# Altium PCB BEAGLEPLAYV020_220915.brd.PcbDoc (part 10 of 12) (continued)
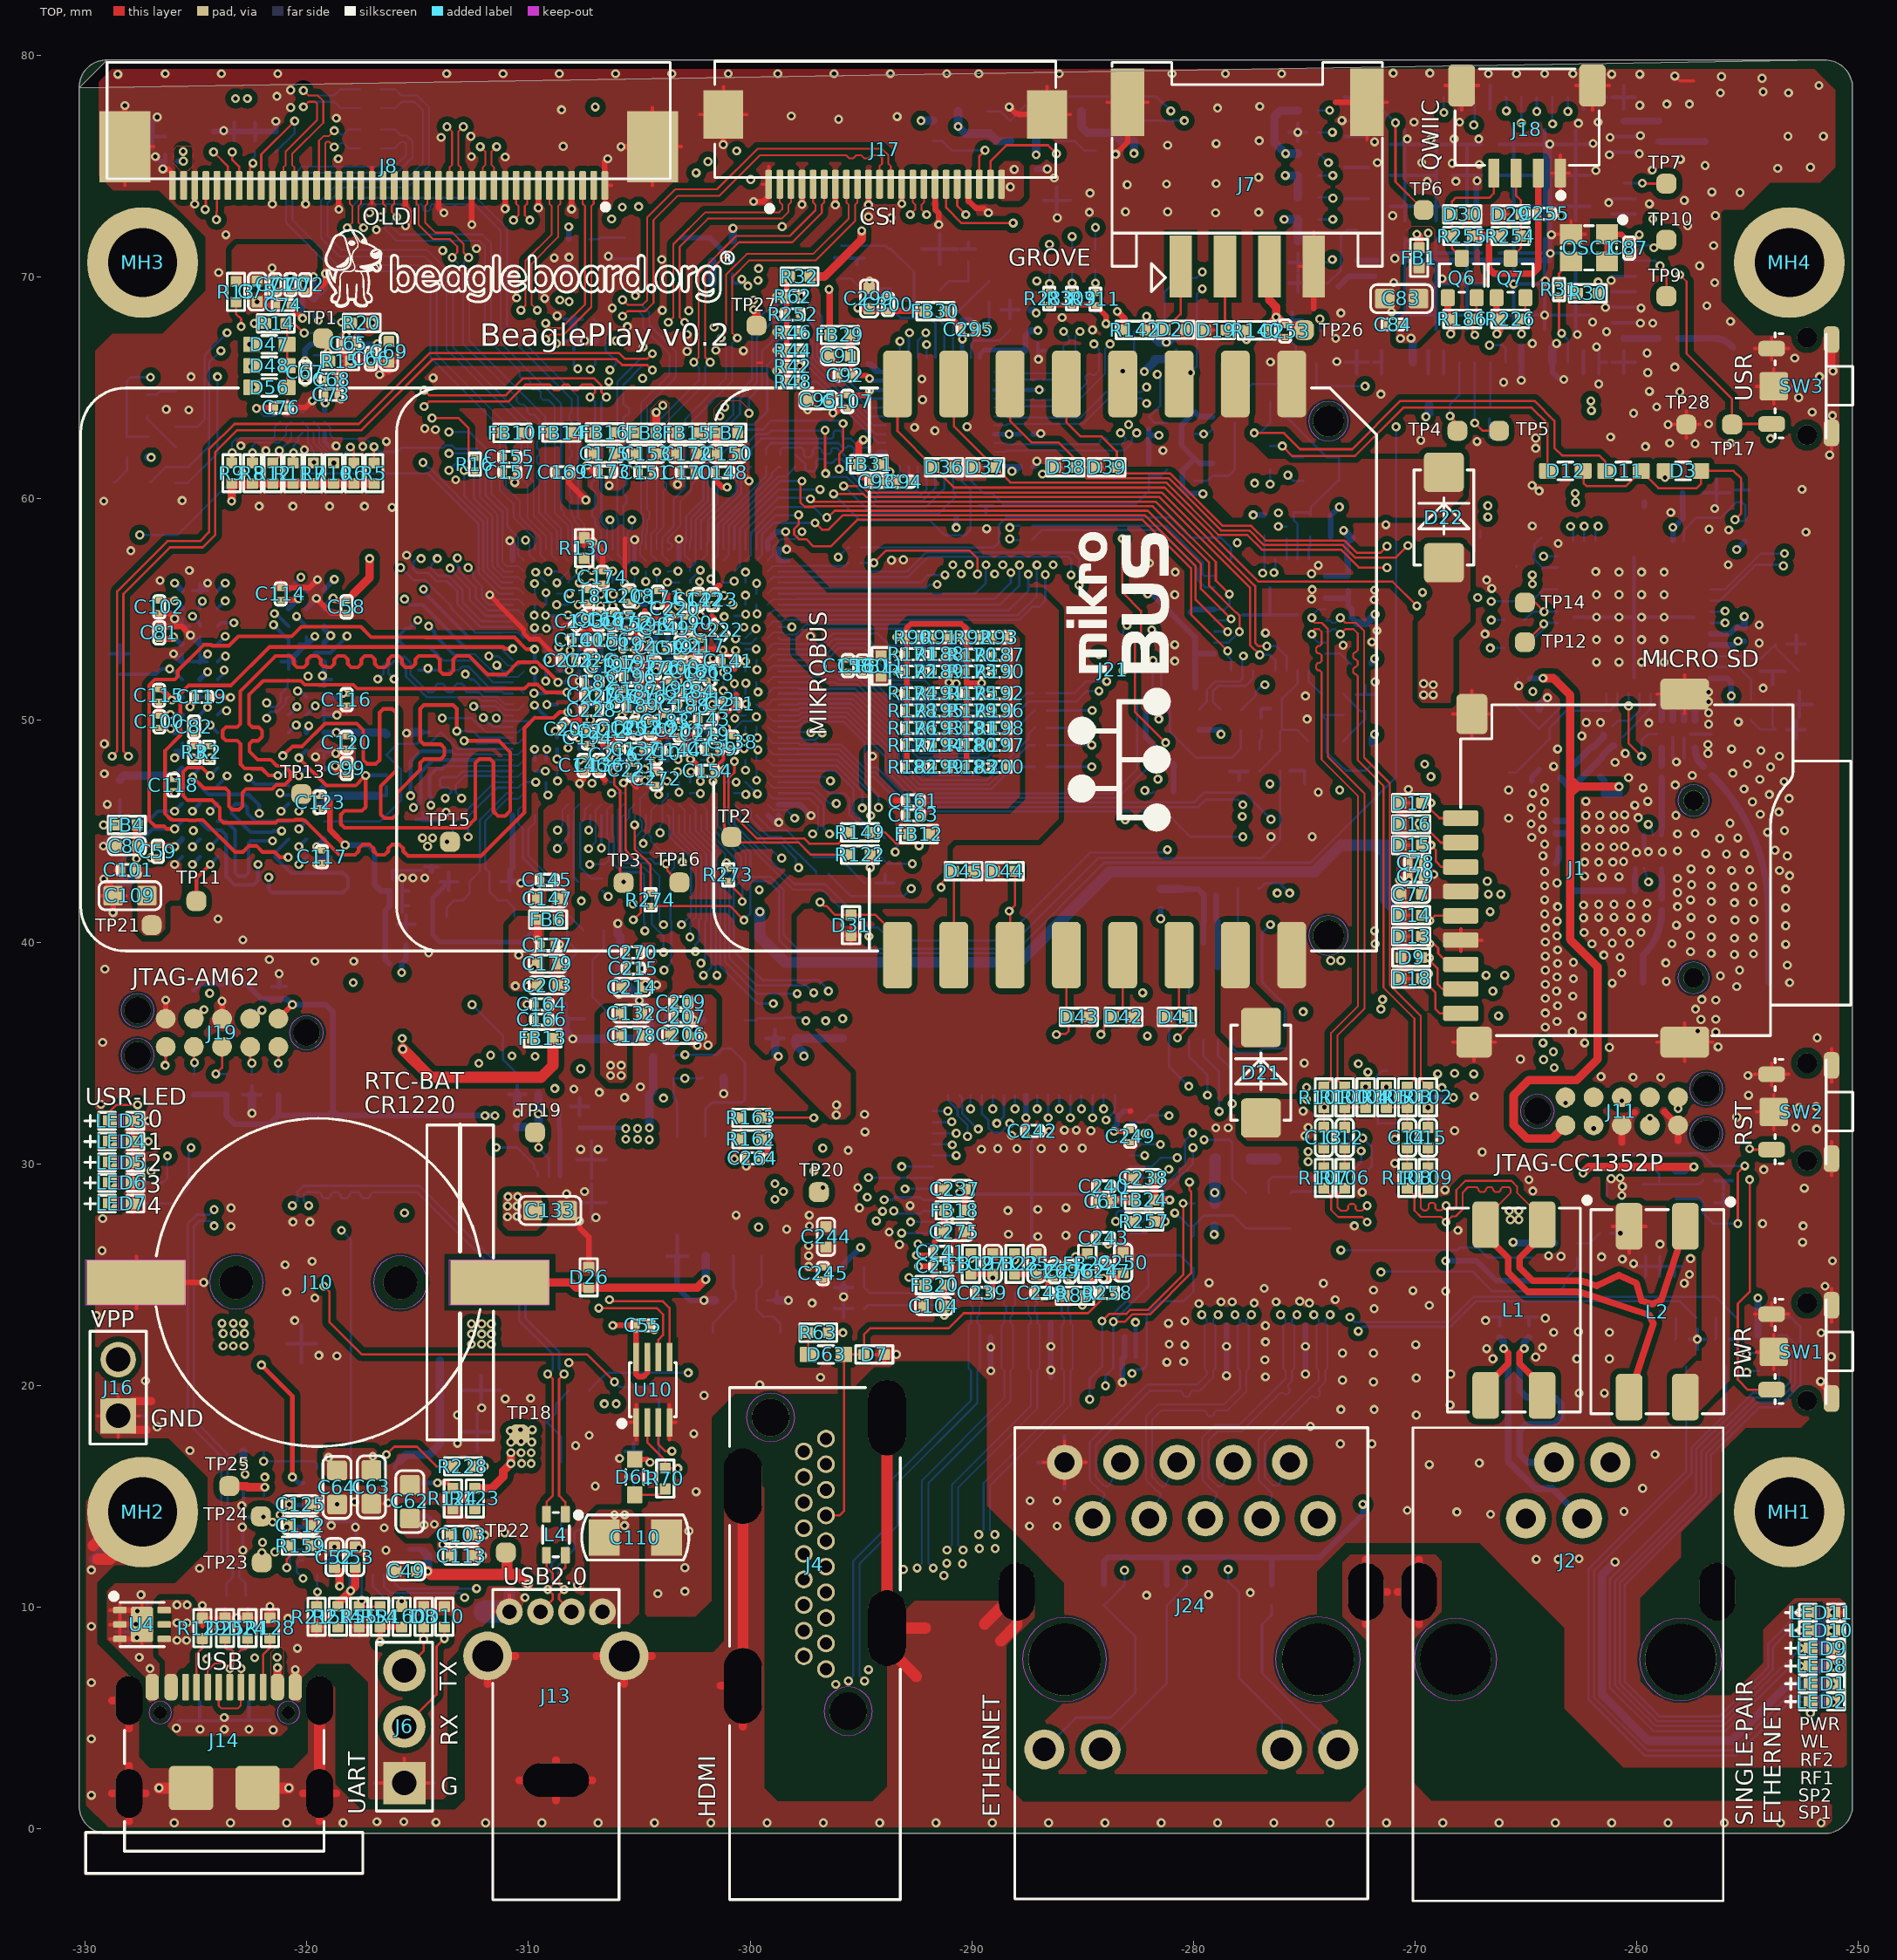
[diagram p0: TOP view]
## Nets (pads, with @x,y where several pads share a name; then routed paths per layer and width w, separated by ;. In a path a pad name is that pad's centre, name@x,y a point inside that pad or via, vN(x,y) a via of type N, cw(c..) or ccw(c..) an arc to the next point about the centre after c; other vN are vias at no path point) (continued)
  BOTTOM w0.381: R4.1@-328.433,42.704 -328.001,42.704 v5(-327.635,43.071) ; R81.1@-328.433,47.315 -328.238,47.511 v8(-325.961,47.511) ; v8(-318.666,49.458) -316.494,49.458 R84.1@-316.412,49.376
  other v8: -314.554,44.323 -314.782,44.704 -314.325,44.704 -319.938,51.994
  other v10: -297.358,25.375 -297.358,25.857 -297.358,26.314
  other v15: -323.774,21.793 -323.317,21.793 -322.834,21.793 -323.774,22.352 -323.266,22.352 -322.809,22.352 -323.825,22.809 -323.317,22.809 -322.859,22.809
VDD_1V8: C6.1 C7.1 C8.1 C60.1 C70.1 C71.1 C72.1 C73.1 C74.1 C75.1 C87.1 C104.1 C112.1 C214.1 C215.1 C216.1 C217.1 C218.1 C219.1 C220.1 C221.1 C222.1 C223.1 C260.1 C270.1 C273.1 FB2.1 FB20.2 FL2.1 J19.1 L16.2 OSC1.1 OSC1.4 Q6.1 Q7.1 Q8.1 Q9.1 Q13.1 Q14.1 R5.1 R6.1 R7.1 R8.1 R9.1 R10.1 R11.1 R12.1 R13.1 R14.1 R18.2 R19.2 R23.1 R24.1 R25.1 R26.1 R27.1 R32.2 R36.1 R90.1 R92.1 R110.1 R111.1 R112.2 R113.2 R114.2 R115.2 R116.2 R126.1 R146.1 R150.1 R151.1 R154.1 R155.1 R156.1 R157.1 R159.1 R168.1 R170.1 R171.1 R172.1 R173.1 R174.1 R175.1 R176.1 R177.1 R178.1 R179.1 R180.1 R181.1 R182.1 R183.1 R186.1 R207.1 R210.1 R226.1 R232.1 R233.1 R234.1 R235.1 R257.1 R259.1 R263.1 TP20.1 U1.F11 U1.G10 U1.G12 U1.J18 U1.N18 U1.P18 U1.T7 U1.T19 U1.U18 U1.W16 U1.W19 U3.C6 U3.M4 U3.N4 U3.P3 U3.P5 U13.17 U17.20 U17.32 | length 132.1
  TOP w0.254: J19.1@-321.285,36.551 v5(-320.65,37.186) ; C74.1@-320.782,68.742 -320.782,68.729 v7(-320.193,68.141) ; C112.1@-320.743,13.699 -320.729,13.699 R159.1@-319.806,12.776 ; C70.1@-320.743,69.935 v7(-320.743,70.046) ; C72.1@-320.065,69.935 -319.778,69.935 v7(-319.693,70.02) ; v7(-319.169,64.331) C73.1@-319.169,64.695 ; C273.1@-307.924,52.709 -307.691,52.709 v1(-307.668,52.686) ; C216.1@-306.155,48.18 -306.155,48.193 v7(-306.07,48.278) ; C221.1@-305.299,48.045 -305.299,48.153 v7(-305.252,48.201) ; C270.1@-305.021,39.536 v7(-304.685,39.536) ; v17(-302.616,53.663) -302.602,53.649 C217.1@-302.251,53.649 ; C222.1@-301.231,53.886 -301.231,53.738 v17(-301.229,53.736) ; R182.1@-292.936,47.914 R177.1@-292.936,48.891 R176.1@-292.936,49.664 R178.1@-292.936,50.451 R174.1@-292.936,51.223 R172.1@-292.936,52.205 R171.1@-292.936,52.992 R90.1@-292.936,53.754 -292.94,53.759 -292.94,54.176 -292.76,54.356 -290.474,54.356 -290.245,54.126 R92.1@-290.245,53.749 R170.1@-290.245,52.967 R173.1@-290.245,52.205 -290.245,51.689 ; v3(-291.244,23.164) C104.1@-291.244,23.588 -291.244,24.509 FB20.2@-291.214,24.539 ; R183.1@-290.245,47.914 R180.1@-290.245,48.891 R181.1@-290.245,49.664 R179.1@-290.245,50.451 R175.1@-290.245,51.223 -290.245,51.689 ; v7(-289.56,51.689) -290.245,51.689 ; OSC1.4@-261.348,70.703 OSC1.1@-261.348,71.928 -260.688,71.928 C87.1@-260.349,71.589 -260.211,71.589 v7(-259.893,71.907)
  TOP w0.305: Q6.1@-268.533,69.068 -268.533,68.305 R186.1@-268.34,68.112 -268.34,67.499 v7(-268.402,67.437) ; Q7.1@-266.332,69.068 -266.332,68.269 R226.1@-266.174,68.112 -266.174,67.582 v7(-266.319,67.437)
  TOP w0.381: v3(-323.393,59.893) -323.389,59.897 R9.1@-323.389,60.69 -323.342,60.642 -322.497,60.642 R8.1@-322.449,60.69 R12.1@-321.535,60.69 R11.1@-320.621,60.69 R7.1@-319.706,60.69 R10.1@-318.792,60.69 R6.1@-317.877,60.69 R5.1@-316.963,60.69 ; v7(-322.366,67.908) R14.1@-321.858,67.908 ; R32.2@-297.307,70.025 -296.649,70.025 -294.97,71.704 v7(-294.97,72.085) ; R257.1@-281.762,27.407 v3(-281.28,27.407)
  LAY6 w0.381: v14(-327.025,61.867) -325.366,61.867 v3(-323.393,59.893)
  BOTTOM w0.152: U1.P18@-302.211,52.219 -302.147,52.219 v7(-301.67,51.743) ; U1.T19@-301.711,53.22 -301.711,53.254 v17(-301.229,53.736)
  BOTTOM w0.203: v3(-320.903,13.613) U17.20@-320.172,13.613 ; U17.32@-316.021,16.263 -316.021,16.388 -315.798,16.612 ; U1.T7@-307.711,53.22 -307.711,52.729 v1(-307.668,52.686) ; U1.G10@-306.211,48.719 -306.211,48.419 v7(-306.07,48.278) ; U1.F11@-305.711,48.219 -305.271,48.219 v7(-305.252,48.201) -305.252,48.679 U1.G12@-305.211,48.719 ; v7(-303.251,55.161) -303.211,55.122 U1.W16@-303.211,54.719 ; v17(-302.616,53.663) -302.559,53.719 U1.U18@-302.211,53.719 ; U1.J18@-302.211,49.719 v7(-301.745,49.253) ; U1.N18@-302.211,51.719 -302.188,51.743 v7(-301.67,51.743) ; v7(-301.732,55.177) -301.711,55.155 U1.W19@-301.711,54.719
  BOTTOM w0.254: R157.1@-325.098,33.122 R151.1@-323.625,33.122 -323.625,32.16 -323.266,31.801 -321.666,31.801 -321.288,32.178 ; R154.1@-325.091,37.857 -324.823,38.125 -322.734,38.125 R155.1@-322.475,37.866 -322.043,37.435 C260.1@-321.251,37.435 -320.899,37.435 v5(-320.65,37.186) -319.151,37.186 -318.821,36.855 -318.821,32.385 ; R156.1@-321.288,33.11 -321.288,32.178 ; v7(-320.743,70.046) -320.693,69.996 U3.P3@-320.693,69.475 ; v7(-320.193,68.141) U3.M4@-320.193,68.475 U3.N4@-320.193,68.975 ; U3.P5@-319.693,69.475 v7(-319.693,70.02) ; U3.C6@-319.193,63.975 -319.193,64.307 v7(-319.169,64.331) ; v7(-311.509,32.178) v7(-311.959,32.178) -318.614,32.178 ; R210.1@-308.182,71.7 v7(-308.182,72.267) ; R146.1@-295.79,25.353 -295.79,25.469 v3(-295.021,26.238) ; v7(-290.703,58.699) R263.1@-290.703,59.196 ; v7(-282.067,55.702) -281.882,55.702 R110.1@-280.14,53.961 -279.933,53.754 C7.1@-279.933,53.01 U13.17@-279.07,53.011 ; v7(-281.737,50.876) -282.143,50.47 -282.143,49.225 -280.959,48.041 R235.1@-280.884,48.041 R234.1@-280.884,46.774 ; C7.1@-279.933,53.01 C6.1@-279.933,52.324 -279.933,51.486 C8.1@-279.903,51.486 ; R114.2@-279.734,49.581 -278.795,49.581 R115.2@-278.794,49.58 -278.794,49.407 v7(-278.765,49.378) ; v7(-279.578,60.223) -279.603,60.249 -280.252,60.249 -280.506,60.503 -280.506,61.261 -280.492,61.276 Q13.1@-279.952,61.816 ; R36.1@-279.142,61.595 -279.731,61.595 Q13.1@-279.952,61.816 ; R259.1@-279.142,63.703 -279.731,63.703 Q14.1@-279.952,63.924 -280.543,63.333 -280.543,62.407 Q13.1@-279.952,61.816 ; v7(-277.307,59.269) R113.2@-276.809,59.269 ; R116.2@-273.807,58.293 -273.807,59.247 R111.1@-273.799,59.255 v7(-273.422,59.631) ; R112.2@-271.985,52.556 -271.985,52.627 v7(-271.831,52.781) ; v3(-268.63,25.629) -267.233,25.629 -266.34,24.736 R207.1@-264.216,24.736 ; -321.288,32.178 -319.028,32.178 ; -319.028,32.178 -318.821,32.385 ; -319.028,32.178 -318.614,32.178 ; -318.821,32.385 -318.614,32.178
  BOTTOM w0.381: R168.1@-327.148,61.867 v14(-327.025,61.867) ; -315.798,16.612 -315.528,16.881 -314.487,16.881 -313.995,17.374 -313.995,21.133 ; v7(-305.286,41.73) R126.1@-305.286,41.792 ; Q8.1@-290.618,77.479 v7(-290.618,76.793) -290.305,76.479 -289.204,76.479 -288.852,76.127 R232.1@-288.277,76.127 ; Q9.1@-285.056,77.479 -285.056,76.78 -285.039,76.763 -285.039,76.759 -284.785,76.505 -283.635,76.505 -283.257,76.127 R233.1@-282.689,76.127 v7(-282.689,75.578) ; v3(-279.068,26.82) -279.064,26.824 R150.1@-279.064,27.203 ; v7(-275.913,72.601) R27.1@-275.298,72.601 R18.2@-275.298,71.603 ; v7(-275.861,74.583) R25.1@-275.298,74.583 R26.1@-275.298,73.597 ; R24.1@-275.298,75.569 v7(-275.844,75.569) -276.347,76.072 -276.347,77.246 -276.078,77.516 R23.1@-275.298,77.516 ; v7(-269.519,63.703) -269.372,63.85 R19.2@-269.372,64.237
  other v3: -296.723,28.931
  other v7: -304.216,38.075 -304.724,38.1 -304.851,38.811 -262.052,63.983 -262.077,64.414 -308.171,68.892 -308.585,68.961 -321.564,70.409
  other v14: -312.572,21.869 -312.115,21.869 -311.683,21.869 -312.572,22.327 -312.115,22.327 -311.683,22.327 -312.572,22.784 -312.115,22.784 -311.683,22.784
VDD_2V5: C46.1 FB4.1 TP25.1 U17.23 | length 2.6
  TOP w0.381: v8(-329.167,45.289) FB4.1@-328.581,45.289 ; TP25.1@-323.494,15.469 -322.727,15.469 -322.676,15.418 v8(-321.894,15.418)
  BOTTOM w0.102: C46.1@-321.931,15.02 -321.931,15.381 v8(-321.894,15.418)
  other v8: -321.894,15.875
VDD_3V3: C3.1 C4.1 C5.1 C55.1 C57.1 C65.1 C66.1 C67.1 C68.1 C69.1 C103.1 C113.1 C125.1 C134.1 C135.1 C206.1 C207.1 C208.1 C209.1 C210.1 C211.1 C212.1 C213.1 C238.1 C253.1 C255.1 C258.1 C259.1 C264.1 C266.1 C272.1 D21.1 D61.1 FB1.1 FB5.1 FB17.1 FB24.2 FB29.1 FB32.2 J7.3 J17.22 J18.2 L18.2 LED1.1 LED2.1 R21.1 R54.1 R60.1 R63.1 R122.1 R125.1 R134.1 R140.1 R142.1 R143.1 R144.1 R148.1 R160.1 R162.1 R169.1 R208.1 R209.1 R222.2 R228.1 R237.1 R238.1 R250.1 R254.1 R255.1 R260.2 TP26.1 U1.F15 U1.G14 U1.H9 U1.K10 U1.L18 U1.M19 U1.Y13 U3.E6 U3.F5 U3.J10 U3.K9 U10.7 U10.8 U13.3 U17.6 U17.22 U18.8 U20.4 U21.1 | length 96.3
  TOP w0.203: v1(-320.793,14.639) C125.1@-320.741,14.639 ; C208.1@-305.444,55.343 -305.281,55.343 v8(-305.158,55.22)
  TOP w0.254: v8(-320.074,65.254) C67.1@-320.074,65.435 ; v8(-319.371,65.381) C68.1@-319.165,65.381 ; C65.1@-317.877,67.091 -317.688,67.091 v8(-317.573,66.975) ; C66.1@-317.11,66.596 -317.11,66.701 v8(-316.814,66.998) ; v8(-316.7,8.445) R54.1@-316.7,9.111 -315.724,9.111 R160.1@-315.722,9.113 ; v8(-306.197,22.716) C55.1@-305.118,22.716 -305.14,22.694 U10.8@-305.14,21.289 -305.14,20.507 -305.029,20.396 -304.825,20.396 -304.639,20.582 U10.7@-304.639,21.289 ; D61.1@-305.206,16.675 -304.66,16.675 v8(-304.521,16.535) ; C210.1@-304.25,48.24 -304.228,48.218 C272.1@-304.228,47.643 ; C213.1@-301.811,50.669 -301.761,50.669 v8(-301.711,50.719) -301.68,50.75 C211.1@-301.18,50.75 ; C264.1@-299.618,30.251 -299.237,30.251 v8(-299.212,30.277) -299.212,30.841 R162.1@-299.486,31.115 ; R63.1@-296.463,22.386 v8(-295.817,22.386) ; v1(-252.171,5.232) -252.171,5.74 LED2.1@-252.165,5.746 LED1.1@-252.165,6.55
  TOP w0.305: v8(-296.443,69.444) -296.416,69.417 FB29.1@-296.416,67.393 ; v8(-283.439,68.453) -283.113,68.128 R142.1@-283.113,67.619 ; R140.1@-276.687,67.601 -276.687,67.788 v8(-276.276,68.199) -276.178,68.199 -275.873,67.894 C253.1@-275.873,67.845 -275.249,67.845 TP26.1@-275.011,67.607 ; v8(-266.671,71.853) -266.671,70.38 -266.442,70.151 -264.707,70.151 -264.45,70.409 C255.1@-264.45,72.86 -264.45,74.689 J18.2@-264.453,74.693
  TOP w0.381: C113.1@-313.478,12.328 -313.478,12.734 v16(-313.411,12.802) ; R228.1@-312.491,16.358 v8(-311.988,16.358) ; v8(-294.584,43.358) R122.1@-294.584,43.947 ; C238.1@-281.782,29.354 FB24.2@-281.783,28.374 FB24.2@-281.783,28.374 v8(-281.076,28.374) ; J7.3@-276.58,70.486 -276.58,68.96 -276.276,68.656 v8(-276.276,68.199) ; v8(-269.926,71.933) -269.824,71.831 FB1.1@-269.824,71.329 ; R255.1@-267.415,71.853 v8(-266.671,71.853) R254.1@-266.159,71.853
  LYR3 w0.254: v16(-254.544,23.952) -254.544,22.773 -255.6,21.717 -255.6,19.634 -258.547,16.688 -258.547,12.751 -260.807,10.49 -260.807,5.893 -259.461,4.547 -252.857,4.547 v1(-252.171,5.232)
  LYR3 w0.381: v1(-320.793,14.639) -320.311,14.639 -320.015,14.935
  BOTTOM w0.102: FB5.1@-267.067,58.251 -267.067,58.587
  BOTTOM w0.152: v3(-306.754,49.679) U1.K10@-306.211,50.219 U1.K10@-306.211,50.219
  BOTTOM w0.203: v1(-320.793,14.639) -320.768,14.613 U17.22@-320.172,14.613 ; R260.2@-307.695,31.623 -305.638,31.623 v8(-305.613,31.598) ; v3(-306.754,49.679) -306.754,49.262 U1.H9@-306.711,49.22 ; v8(-305.158,55.22) U1.Y13@-304.711,55.22 ; U1.G14@-304.211,48.719 -304.211,48.582 -304.237,48.556 -304.237,48.268 v15(-304.188,48.219) U1.F15@-303.711,48.219 ; U1.L18@-302.211,50.719 v8(-301.711,50.719) U1.M19@-301.711,51.22
  BOTTOM w0.254: v8(-320.074,65.254) -319.853,65.475 U3.F5@-319.693,65.475 -319.465,65.475 v8(-319.371,65.381) -319.193,65.203 U3.E6@-319.193,64.975 ; U3.K9@-317.693,67.475 -317.693,67.095 v8(-317.573,66.975) U3.J10@-317.193,66.975 -316.837,66.975 v8(-316.814,66.998) ; C266.1@-303.209,36.432 -302.759,36.432 -302.692,36.5 v8(-302.565,36.5) ; v8(-281.482,41.06) FB17.1@-281.482,41.485 ; U13.3@-274.041,55.513 -273.031,55.513 -273.02,55.524 ; C4.1@-273.02,55.858 -273.02,55.524 ; C5.1@-272.627,54.394 -272.872,54.64 -272.872,55.038 C3.1@-273.02,55.186 -273.02,55.524 ; R222.2@-271.961,48.936 -271.961,49.247 v8(-271.831,49.378) ; R60.1@-270.617,32.76 -270.135,32.76 -269.9,32.995 v8(-268.275,32.995)
  BOTTOM w0.305: FB32.2@-287.34,68.514 -287.234,68.514 v8(-287.096,68.377) ; R237.1@-254.544,22.27 R238.1@-254.544,23.074 v16(-254.544,23.952)
  BOTTOM w0.381: v8(-304.546,31.623) -304.546,33.128 -304.38,33.294 R143.1@-304.38,33.862 -304.379,33.863 R144.1@-304.379,34.827 ; v8(-302.565,36.5) -302.438,36.5 -302.411,36.473 U20.4@-302.145,36.473 ; U18.8@-299.483,31.246 -299.483,30.548 v8(-299.212,30.277) ; v8(-297.574,34.861) -297.574,34.989 -297.946,35.36 R209.1@-297.946,35.661 -297.338,35.661 R148.1@-296.77,35.662 -296.761,35.67 R134.1@-295.83,35.67 ; v8(-292.292,77.052) R250.1@-291.757,77.052 ; v8(-287.096,75.514) -287.096,76.72 -286.764,77.052 R169.1@-286.196,77.052 ; R208.1@-281.762,67.259 -281.559,67.056 v8(-281.229,67.056) -281.144,67.056 -280.941,67.259 R125.1@-280.782,67.259 ; C5.1@-272.627,54.394 -272.199,54.394 v8(-271.805,54.788)
  other v8: -304.546,31.09 -305.613,31.115 -305.079,31.115 -274.98,31.267 -305.079,31.598 -274.828,31.648 -275.057,32.385 -302.387,35.357 -301.904,35.357 -302.133,35.763 -302.514,36.043 -271.551,36.982 -271.475,37.414 -266.725,59.182 -266.725,59.69 -269.418,71.984 -288.265,74.066 -288.087,74.854
  other v16: -313.868,12.827
VDD_3V3_EN: R137.2 U12.1 U17.17 | length 31.2
  LYR3 w0.097: v1(-320.167,11.303) -319.827,11.303 -319.09,12.04 -313.233,12.04 -312.852,12.421 -312.852,19.075 -313.766,19.99 -313.766,28.428 v1(-311.455,30.74)
  BOTTOM w0.102: U17.17@-320.172,12.113 -320.322,12.113 -320.446,11.989 -320.446,11.582 v1(-320.167,11.303) ; v1(-311.455,30.74) R137.2@-310.511,30.74 -309.749,29.978 -309.749,29.787 -309.584,29.621 U12.1@-309.584,29.446
VDD_3V3_PG: R138.2 TP19.1 U12.2 | length 2.2
  TOP w0.102: TP19.1@-309.702,31.42 -309.546,31.264 v5(-309.546,30.738)
  BOTTOM w0.102: v5(-309.546,30.738) R138.2@-309.546,30.739 -309.084,30.277 U12.2@-309.084,29.446
VDD_3V3_SD: C51.1 C77.1 C78.1 C79.1 J1.4 U21.5 U21.6
  other v7: -273.812,39.167 -273.355,39.167 -269.164,43.053 -269.596,43.078
VDD_3V3A: C56.1 C232.1 C233.1 FB17.2 U11.2 | length 4.2
  BOTTOM w0.254: C233.1@-280.534,42.399 -279.819,42.399 -279.794,42.374 -279.775,42.374 -279.542,42.141 C56.1@-279.542,42.122 -279.539,42.119 C232.1@-279.539,41.437 -279.539,40.892 -279.548,40.883 U11.2@-279.548,39.979
  BOTTOM w0.381: FB17.2@-281.482,42.41 -281.472,42.399 C233.1@-280.534,42.399
VDD_CANUART: C145.1 C146.1 C147.1 FB6.2 U1.F8 | length 0.7
  TOP w0.254: v5(-307.683,48.219) -307.644,48.258 C146.1@-307.509,48.258
  BOTTOM w0.203: v5(-307.683,48.219) U1.F8@-307.211,48.219
VDD_CORE: C50.1 C176.1 C177.1 C179.1 C180.1 C181.1 C182.1 C183.1 C184.1 C185.1 C186.1 C187.1 C188.1 C189.1 C190.1 C191.1 C192.1 C193.1 C194.1 C203.1 FB6.1 FB7.1 FB8.1 L14.2 R123.2 TP18.1 U1.H8 U1.J11 U1.J14 U1.K17 U1.L12 U1.L15 U1.M16 U1.N8 U1.N11 U1.N13 U1.P17 U1.R11 U1.R14 U1.U12 U1.V8 U1.V15 U1.V17 | length 20.4
  TOP w0.102: v7(-310.794,17.45) -310.769,17.45 TP18.1@-310.413,17.805
  TOP w0.254: C193.1@-307.48,54.679 -307.299,54.679 v3(-307.274,54.704) -307.298,54.728 C181.1@-307.298,55.317 ; C194.1@-307.323,48.942 -307.323,48.875 v7(-307.211,48.762) ; C185.1@-305.807,49.9 -305.807,50.152 -305.791,50.169 v7(-305.791,50.216) -305.761,50.216 -305.507,50.47 C189.1@-305.507,50.649 -305.507,50.944 v7(-305.74,51.177) -305.608,51.309 C187.1@-305.558,51.309 ; v14(-305.74,53.22) -305.66,53.3 C192.1@-305.66,53.443 ; C180.1@-304.487,49.95 -304.367,49.95 v7(-304.19,50.127) -304.062,50.255 C183.1@-303.826,50.255 ; v14(-303.253,53.719) -302.849,54.124 C190.1@-302.827,54.124 ; C188.1@-303.247,50.649 -303.247,51.055 C184.1@-302.993,51.309 ; v7(-302.694,51.743) C186.1@-302.498,51.939
  TOP w0.381: R123.2@-312.42,15.372 -311.653,15.372 -311.136,15.889 -311.136,16.143 v7(-310.794,16.485) v7(-310.794,16.967) ; v7(-309.601,40.107) -309.601,40.259 -309.581,40.279 FB6.1@-309.581,41.022 ; FB8.1@-304.238,62.976 v14(-304.238,63.899)
  BOTTOM w0.152: v7(-305.791,50.216) -305.539,50.467 -305.492,50.467 -305.456,50.504 -305.427,50.504 U1.L12@-305.211,50.719 ; v14(-305.74,53.22) -305.693,53.267 -305.693,53.303 -305.277,53.719 U1.U12@-305.211,53.719 ; v7(-303.253,50.719) -303.235,50.701 -303.235,50.683 -302.771,50.219 U1.K17@-302.711,50.219 ; v14(-303.253,53.719) -303.253,53.735 -302.769,54.219 U1.V17@-302.711,54.219
  BOTTOM w0.203: v3(-307.274,54.704) -307.211,54.641 U1.V8@-307.211,54.219 ; v7(-307.211,48.762) U1.H8@-307.211,49.22 ; U1.N8@-307.211,51.719 -306.768,51.719 v7(-306.756,51.732) ; v7(-305.791,50.216) -305.725,50.15 -305.725,49.733 U1.J11@-305.711,49.719 ; v7(-305.74,51.177) -305.74,51.691 U1.N11@-305.711,51.719 ; v14(-305.74,53.22) -305.74,52.748 U1.R11@-305.711,52.719 ; U1.N13@-304.711,51.719 -304.707,51.719 -304.251,52.175 v7(-304.251,52.216) -304.211,52.256 U1.R14@-304.211,52.719 ; U1.J14@-304.211,49.719 -304.226,49.734 -304.226,50.091 v7(-304.19,50.127) ; U1.L15@-303.711,50.719 v7(-303.253,50.719) -303.211,50.762 U1.M16@-303.211,51.22 ; U1.V15@-303.711,54.219 -303.253,53.761 v14@-303.253,53.735 ; U1.P17@-302.711,52.219 -302.711,51.759 v7(-302.694,51.743)
  other v3: -301.371,63.729 -301.142,64.135
  other v7: -310.312,16.485 -309.88,16.485 -310.337,16.967 -309.88,16.967 -309.855,17.45 -310.337,17.475 -310.82,17.958 -310.363,18.009 -309.829,18.009 -310.591,38.024 -310.058,38.024 -309.753,38.837 -310.439,39.421
  other v14: -303.936,64.211
VDD_SD: C49.1 FB9.1 R73.1 R74.1 R75.1 R76.1 R77.1 R78.1 TP22.1 U17.7 | length 83.7
  TOP w0.508: C49.1@-315.05,11.625 v5(-314.545,11.625) -314.401,11.481 -310.972,11.481 ; TP22.1@-311.023,12.471 -311.023,12.243 -310.972,12.192 -310.972,11.481 ; v1(-310.032,11.049) -310.464,11.481 -310.972,11.481
  LYR3 w0.508: v1(-310.032,11.049) -307.772,13.31 -307.772,16.053 -304.927,18.898 -304.927,24.536 -301.328,28.136 -301.328,30.841 -299.564,32.605 v1(-299.564,41.373)
  BOTTOM w0.203: U17.7@-315.371,12.613 -314.823,12.613 -314.706,12.497
  BOTTOM w0.381: -314.706,12.497 -314.545,12.336 v5(-314.545,11.625)
  BOTTOM w0.508: v1(-299.564,41.373) -299.564,40.23 -298.424,39.091 -287.856,39.091 -283.766,43.18 -274.548,43.18 -273.351,44.377 -271.729,44.377 ; R73.1@-270.642,39.313 R74.1@-270.642,40.26 R75.1@-270.642,41.218 -271.348,41.924 -271.348,43.996 ; R77.1@-270.642,46.28 R76.1@-270.642,45.321 R78.1@-270.642,44.377 -270.967,44.377 ; -271.729,44.377 -271.323,44.377 ; -271.729,44.377 -271.348,43.996 ; -271.348,43.996 -270.967,44.377 ; -271.348,43.996 -271.348,44.352 -271.323,44.377 ; -271.323,44.377 -270.967,44.377
VDDA_0V85: C48.1 C132.1 C178.1 C195.1 C196.1 C197.1 C198.1 C199.1 C200.1 C201.1 C202.1 TP23.1 U1.J12 U1.K16 U1.N12 U1.N14 U1.P16 U1.R12 U1.T10 U1.U14 U17.19 | length 6.5
  TOP w0.254: C196.1@-305.634,51.969 -305.634,52.155 v8(-305.74,52.261) -305.609,52.391 C195.1@-305.609,52.63 ; v8(-305.168,50.201) -305.147,50.179 C202.1@-305.147,49.95 ; C198.1@-304.758,54.047 -304.758,53.824 v8(-304.654,53.719)
  TOP w0.381: TP23.1@-322.03,12.022 v8(-322.03,12.463)
  BOTTOM w0.152: U1.N14@-304.211,51.719 -304.144,51.719 -303.691,51.267 v8(-303.691,51.176)
  BOTTOM w0.203: v8(-306.211,52.748) U1.T10@-306.211,53.22 ; U1.N12@-305.211,51.719 -305.262,51.719 -305.343,51.8 v8(-305.74,52.261) -305.708,52.274 -305.263,52.719 U1.R12@-305.211,52.719 ; v8(-304.654,53.719) U1.U14@-304.211,53.719 ; v8(-303.691,52.219) U1.P16@-303.211,52.219 ; v8(-303.211,49.734) U1.K16@-303.211,50.219
  BOTTOM w0.254: U1.J12@-305.211,49.719 -305.211,50.158 v8(-305.168,50.201)
  other v8: -321.437,12.497 -321.996,12.929 -306.299,33.985 -305.816,33.985 -306.299,34.442 -305.816,34.442
VDDA_1V8: C47.1 C205.1 FB10.1 FB11.1 FB12.1 FB13.1 FB14.1 FB15.1 FB16.1 TP24.1 U1.G7 U1.G16 U1.T9 U17.21 | length 10.7
  TOP w0.102: TP24.1@-322.071,14.105 -321.982,14.105 v8(-321.957,14.08)
  TOP w0.254: C205.1@-307.984,49.422 -307.951,49.422 v15(-307.746,49.218)
  TOP w0.508: v15(-315.671,35.179) -314.401,33.909 -309.423,33.909 -308.896,34.436 FB13.1@-308.896,35.665
  BOTTOM w0.203: v15(-307.746,49.218) -307.711,49.182 U1.G7@-307.711,48.719 ; v3(-306.754,52.76) -306.754,52.867 -306.711,52.91 U1.T9@-306.711,53.22 ; v3(-303.253,48.227) -303.253,48.288 -303.211,48.33 U1.G16@-303.211,48.719
  other v3: -296.113,32.207 -296.104,32.661
  other v8: -321.539,13.843 -321.208,14.173
  other v15: -315.697,35.662
VDDA_1V8_CSIRX: C170.1 C171.1 C172.1 FB15.2 U1.W14 | length 0.6
  TOP w0.254: C171.1@-304.174,55.284 -304.174,55.181 v8(-304.169,55.176)
  BOTTOM w0.203: U1.W14@-304.211,54.719 -304.211,55.134 v8(-304.169,55.176)
  other v8: -303.276,60.648
VDDA_1V8_MCU: C164.1 C165.1 C166.1 FB13.2 U1.L11 | length 0.5
  BOTTOM w0.254: v1(-306.195,50.719) -306.184,50.709 -305.722,50.709 U1.L11@-305.711,50.719
  other v1: -310.066,37.194
VDDA_1V8_OLDI: C167.1 C168.1 C169.1 FB14.2 U1.W9 U1.W10 | length 3.2
  TOP w0.203: C168.1@-306.823,54.836 -306.823,55.097 v7(-306.754,55.167) ; v7(-306.195,55.161) -306.188,55.155 C167.1@-306.188,54.827
  TOP w0.254: C169.1@-308.182,61.198 -308.182,60.71 v7(-307.416,59.944)
  BOTTOM w0.203: v7(-306.754,55.167) -306.711,55.124 U1.W9@-306.711,54.719 ; U1.W10@-306.211,54.719 -306.211,55.145 v7(-306.195,55.161)
VDDA_1V8_USB: C173.1 C174.1 C175.1 FB16.2 U1.Y11 | length 1.4
  TOP w0.203: C174.1@-306.663,56.173 -306.648,56.173 v3(-306.171,55.696)
  BOTTOM w0.102: v3(-306.171,55.696) -305.926,55.451 -305.926,55.434 U1.Y11@-305.711,55.22
  other v3: -306.356,60.597
VDDA_CORE_CSI: C148.1 C149.1 C150.1 FB7.2 U1.W13 | length 3.5
  TOP w0.254: C150.1@-301.485,62.028 -301.52,61.993 C148.1@-301.52,61.19 -301.52,60.777 -301.263,60.521 v1(-301.041,60.521)
  TOP w0.381: FB7.2@-301.495,62.976 -301.485,62.966 C150.1@-301.485,62.028
  BOTTOM w0.102: U1.W13@-304.711,54.719 -304.254,54.262 v1(-304.254,54.175)
VDDA_CORE_USB: C151.1 C152.1 C153.1 FB8.2 U1.W12 | length 0.5
  BOTTOM w0.203: v3(-305.727,54.719) U1.W12@-305.211,54.719
  other v3: -305.283,61.562
VDDA_PLL0: C155.1 C156.1 C157.1 FB10.2 U1.U11 | length 1.2
  TOP w0.254: v7(-310.617,60.736) -310.558,60.795 C157.1@-310.558,61.198 ; C156.1@-306.268,53.629 -306.268,53.69 v7(-306.195,53.762)
  BOTTOM w0.254: v7(-306.195,53.762) -305.754,53.762 U1.U11@-305.711,53.719
VDDA_PLL1: C158.1 C159.1 C160.1 FB11.2 U1.U15 | length 0.5
  BOTTOM w0.254: U1.U15@-303.711,53.719 -303.711,53.281 v8(-303.691,53.261)
  other v8: -297.282,53.797
VDDA_PLL2: C161.1 C162.1 C163.1 FB12.2 U1.L14 | length 1.1
  TOP w0.254: -293.435,46.394 C161.1@-292.918,46.394
  BOTTOM w0.203: v1(-304.251,51.252) -304.211,51.212 U1.L14@-304.211,50.719
  other v1: -294.488,48.387
VDDA_SYS_MON: R139.2 R141.1 U1.H10 | length 20.4
  LYR3 w0.097: v1(-312.547,37.186) -312.547,38.583 -308.026,43.104 -308.026,45.441 -306.502,46.965 -306.502,47.93 -306.372,48.059 -306.372,49.463 v1(-306.211,49.624)
  BOTTOM w0.102: v1(-312.547,37.186) -311.15,35.789 -311.15,34.706 R141.1@-310.511,34.067 -310.083,34.067 -310.076,34.074 R139.2@-309.553,34.074 ; U1.H10@-306.211,49.22 v1(-306.211,49.624)
VDDRF: C24.1 C42.1 C43.1 L3.1 U9.45 U9.48 | length 3.5
  BOTTOM w0.254: U9.48@-256.677,51.905 -255.943,51.905 -255.743,51.705 v3(-255.743,51.114) C43.1@-255.743,50.81 ; U9.45@-256.677,53.405 -255.611,53.405 v3(-255.439,53.578) C42.1@-255.151,53.578
  other v3: -262.763,59.842 -262.788,60.249
VDDSHV5: C154.1 FB9.2 U1.G17 | length 1.2
  TOP w0.254: v1(-302.694,48.25) -302.657,48.25 -302.205,47.799 C154.1@-302.205,47.728
  BOTTOM w0.203: U1.G17@-302.711,48.719 -302.711,48.267 v1(-302.694,48.25)
  other v1: -299.593,42.362
VOUT0_D0: U1.U22 U7.61 | length 41.8
  LYR3 w0.097: v10(-286.333,57.023) -286.333,56.085 -285.542,55.293 -285.542,37.283 -285.242,36.983 -285.242,32.666 v1(-285.055,32.479)
  LAY6 w0.097: -297.104,54.988 -286.834,54.988 -286.333,55.489 v10(-286.333,57.023)
  LAY6 w0.102: v3(-299.739,54.139) -299.731,54.147 -299.345,54.147 -298.503,54.988 -297.104,54.988
  BOTTOM w0.102: U1.U22@-300.211,53.719 -299.854,54.077 -299.822,54.077 -299.796,54.102 -299.784,54.102 -299.747,54.139 v3(-299.739,54.139) ; v1(-285.055,32.479) U7.61@-285.055,33.081
VOUT0_D1: U1.V24 U7.60 | length 40.2
  LYR3 w0.097: v1(-286.686,56.578) -286.686,56.158 -285.74,55.211 -285.74,37.201 -285.555,37.016 v1(-285.555,32.08)
  BOTTOM w0.081: U1.V24@-299.211,54.219 -298.962,54.468 -298.541,54.468 -298.462,54.547 -297.911,54.547 -297.903,54.539 -297.79,54.539
  BOTTOM w0.102: -297.79,54.539 -287.855,54.539 -287.276,55.118 -286.971,55.118 -286.686,55.403 v1(-286.686,56.578) ; v1(-285.555,32.08) U7.60@-285.555,33.081
VOUT0_D2: U1.W25 U7.59 | length 39.7
  LYR3 w0.097: v1(-287.066,57.018) -287.066,56.256 -285.938,55.129 -285.938,37.736 -286.842,36.832 -286.842,33.528 -286.055,32.741 v1(-286.055,32.479)
  BOTTOM w0.102: U1.W25@-298.711,54.719 -298.689,54.742 -287.939,54.742 -287.066,55.616 v1(-287.066,57.018) ; v1(-286.055,32.479) U7.59@-286.055,33.081
VOUT0_D3: U1.W24 U7.58 | length 39.7
  LYR3 w0.097: v1(-287.454,56.594) -287.454,56.365 -286.136,55.046 -286.136,37.819 -287.147,36.808 -287.147,33.35 -286.555,32.758 v1(-286.555,32.08)
  BOTTOM w0.081: U1.W24@-299.211,54.719 -298.962,54.968 -297.744,54.968
  BOTTOM w0.102: -297.744,54.968 -288.33,54.968 -287.454,55.844 v1(-287.454,56.594) ; v1(-286.555,32.08) U7.58@-286.555,33.081
VOUT0_D4: U1.Y25 U7.57 | length 38.6
  LYR3 w0.097: v1(-287.851,57.015) -287.851,56.48 -286.334,54.964 -286.334,37.901 -287.579,36.656 -287.579,33.003 v1(-287.055,32.479)
  BOTTOM w0.102: U1.Y25@-298.711,55.22 -288.727,55.22 -287.851,56.096 v1(-287.851,57.015) ; v1(-287.055,32.479) U7.57@-287.055,33.081
VOUT0_D5: U1.Y24 U7.55 | length 38
  LYR3 w0.097: v1(-288.241,56.665) -288.241,56.591 -286.532,54.882 -286.532,37.983 -288.055,36.46 v1(-288.055,32.479)
  BOTTOM w0.081: U1.Y24@-299.211,55.22 -298.96,55.471 -297.836,55.471
  BOTTOM w0.102: -297.836,55.471 -288.981,55.471 -288.242,56.21 v1(-288.241,56.665) ; v1(-288.055,32.479) U7.55@-288.055,33.081
VOUT0_D6: U1.Y23 U7.54 | length 40.5
  LYR3 w0.097: v10(-288.973,56.606) -288.973,56.258 -288.828,56.114 -288.325,56.114 -286.929,54.717 -286.929,38.148 -288.666,36.41 -288.666,36.352 -288.671,36.347 -288.671,32.029 v1(-288.874,31.826)
  LAY6 w0.097: -297.104,55.385 -289.265,55.385 -288.973,55.677 v10(-288.973,56.606)
  LAY6 w0.102: v3(-299.692,54.809) -299.665,54.809 -299.09,55.385 -297.104,55.385
  BOTTOM w0.102: U1.Y23@-299.711,55.22 -299.711,54.855 -299.695,54.839 -299.695,54.811 v3(-299.692,54.809) ; v1(-288.874,31.826) -288.555,32.145 U7.54@-288.555,33.081
VOUT0_D7: U1.AA25 U7.53 | length 37.6
  LYR3 w0.097: v1(-289.364,57.02) -289.364,56.203 -289.077,55.916 -288.407,55.916 -287.127,54.635 -287.127,38.23 -289.055,36.301 v1(-289.055,32.479)
  BOTTOM w0.102: U1.AA25@-298.711,55.719 -289.848,55.719 -289.364,56.203 v1(-289.364,57.02) ; v1(-289.055,32.479) U7.53@-289.055,33.081
VOUT0_D8: U1.V21 U7.52 | length 43.9
  LYR3 w0.097: v10(-288.605,57.02) -288.605,56.43 -288.487,56.312 -288.243,56.312 -286.73,54.799 -286.73,38.065 -288.468,36.328 -288.468,32.004 v1(-288.29,31.826)
  LAY6 w0.097: -297.104,55.187 -288.856,55.187 -288.605,55.438 v10(-288.605,57.02)
  LAY6 w0.102: v3(-300.282,54.212) -300.02,54.474 -299.526,54.474 -298.813,55.187 -297.104,55.187
  BOTTOM w0.102: U1.V21@-300.711,54.219 -300.295,54.219 -300.287,54.212 v3(-300.282,54.212) ; U7.52@-289.555,33.081 -289.555,32.279 -289.255,31.979 -289.255,31.623 -289.052,31.42 -288.696,31.42 v1(-288.29,31.826)
VOUT0_D9: U1.W21 U7.50 | length 42.5
  LYR3 w0.097: v10(-290.121,57.028) -290.121,56.761 -290.124,56.758 -290.124,55.656 -289.784,55.316 -288.656,55.316 -287.726,54.386 -287.726,38.478 -290.454,35.75 -290.454,32.314 v1(-289.712,31.572)
  LAY6 w0.097: -297.104,55.583 -290.606,55.583 -290.121,56.068 v10(-290.121,57.028)
  LAY6 w0.102: v3(-300.203,54.788) -299.408,55.583 -297.104,55.583
  BOTTOM w0.102: U1.W21@-300.711,54.719 -300.347,54.719 -300.279,54.788 v3(-300.203,54.788) ; U7.50@-290.555,33.081 -290.436,32.962 -290.436,32.271 -289.789,31.623 -289.763,31.623 v1(-289.712,31.572)

## Text inside footprints (layer, text, board x,y; h text height)
R39: PIN_NUMBER "1" at -284.295,11.017 h0.64 r270; PIN_NUMBER "2" at -284.295,10.092 h0.64 r270; ASSEMBLY_TOP "1K" at -283.787,10.427 h0.64 r270
R40: PIN_NUMBER "2" at -285.728,71.243 h0.64 r90; PIN_NUMBER "1" at -285.728,70.318 h0.64 r90; ASSEMBLY_TOP "1K" at -285.728,70.907 h0.64 r90
R41: PIN_NUMBER "2" at -298.047,65.979 h0.64; PIN_NUMBER "1" at -298.606,65.979 h0.64; ASSEMBLY_TOP "4.7K" at -298.327,66.233 h0.64
R42: PIN_NUMBER "1" at -298.047,65.979 h0.64 r180; PIN_NUMBER "2" at -298.606,65.979 h0.64 r180; ASSEMBLY_TOP "4.7K" at -297.819,66.233 h0.64 r180
R43: PIN_NUMBER "2" at -298.047,66.69 h0.64; PIN_NUMBER "1" at -298.606,66.69 h0.64; ASSEMBLY_TOP "4.7K" at -298.327,66.944 h0.64
R44: PIN_NUMBER "1" at -298.047,66.69 h0.64 r180; PIN_NUMBER "2" at -298.606,66.69 h0.64 r180; ASSEMBLY_TOP "4.7K" at -297.819,66.944 h0.64 r180
R45: PIN_NUMBER "2" at -298.047,67.503 h0.64; PIN_NUMBER "1" at -298.606,67.503 h0.64; ASSEMBLY_TOP "4.7K" at -298.327,67.757 h0.64
R46: PIN_NUMBER "1" at -298.047,67.503 h0.64 r180; PIN_NUMBER "2" at -298.606,67.503 h0.64 r180; ASSEMBLY_TOP "4.7K" at -297.819,67.757 h0.64 r180
R47: PIN_NUMBER "2" at -298.047,65.293 h0.64; PIN_NUMBER "1" at -298.606,65.293 h0.64; ASSEMBLY_TOP "4.7K" at -298.327,65.547 h0.64
R48: PIN_NUMBER "1" at -298.044,65.278 h0.64 r180; PIN_NUMBER "2" at -298.602,65.278 h0.64 r180; ASSEMBLY_TOP "4.7K" at -297.815,65.532 h0.64 r180
R49: PIN_NUMBER "1" at -300.206,61.429 h0.64 r90; PIN_NUMBER "2" at -300.206,61.988 h0.64 r90; ASSEMBLY_TOP "33R" at -300.206,61.454 h0.64 r90
R50: PIN_NUMBER "1" at -299.546,61.429 h0.64 r90; PIN_NUMBER "2" at -299.546,61.988 h0.64 r90; ASSEMBLY_TOP "33R" at -299.546,61.454 h0.64 r90
R51: PIN_NUMBER "1" at -298.885,61.429 h0.64 r90; PIN_NUMBER "2" at -298.885,61.988 h0.64 r90; ASSEMBLY_TOP "33R" at -298.885,61.454 h0.64 r90
R52: PIN_NUMBER "1" at -298.225,61.429 h0.64 r90; PIN_NUMBER "2" at -298.225,61.988 h0.64 r90; ASSEMBLY_TOP "33R" at -298.225,61.454 h0.64 r90
R53: PIN_NUMBER "1" at -328.379,64.699 h0.64; PIN_NUMBER "2" at -327.453,64.699 h0.64; ASSEMBLY_TOP "1K" at -327.535,64.953 h0.64
R54: PIN_NUMBER "1" at -316.954,9.111 h0.64 r90; PIN_NUMBER "2" at -316.954,10.036 h0.64 r90; ASSEMBLY_TOP "10K" at -316.446,9.701 h0.64 r90
R55: PIN_NUMBER "1" at -317.894,10.036 h0.64 r270; PIN_NUMBER "2" at -317.894,9.111 h0.64 r270; ASSEMBLY_TOP "100K" at -317.894,9.447 h0.64 r270
R56: PIN_NUMBER "2" at -256.35,29.248 h0.64; PIN_NUMBER "1" at -257.275,29.248 h0.64; ASSEMBLY_TOP "49.9K" at -256.432,29.502 h0.64
R57: PIN_NUMBER "1" at -301.527,61.429 h0.64 r90; PIN_NUMBER "2" at -301.527,61.988 h0.64 r90; ASSEMBLY_TOP "33R" at -301.527,61.454 h0.64 r90
R58: PIN_NUMBER "1" at -300.867,61.429 h0.64 r90; PIN_NUMBER "2" at -300.867,61.988 h0.64 r90; ASSEMBLY_TOP "33R" at -300.867,61.454 h0.64 r90
R59: PIN_NUMBER "2" at -256.35,28.25 h0.64; PIN_NUMBER "1" at -257.275,28.25 h0.64; ASSEMBLY_TOP "49.9K" at -256.432,28.504 h0.64
R60: PIN_NUMBER "1" at -270.871,32.76 h0.64 r270; PIN_NUMBER "2" at -270.871,31.835 h0.64 r270; ASSEMBLY_TOP "10K" at -270.363,32.17 h0.64 r270
R61: PIN_NUMBER "2" at -298.047,69.129 h0.64; PIN_NUMBER "1" at -298.606,69.129 h0.64; ASSEMBLY_TOP "4.7K" at -298.327,69.383 h0.64
R62: PIN_NUMBER "1" at -298.047,69.129 h0.64 r180; PIN_NUMBER "2" at -298.606,69.129 h0.64 r180; ASSEMBLY_TOP "4.7K" at -297.819,69.383 h0.64 r180
R63: PIN_NUMBER "1" at -296.717,22.386 h0.64 r180; PIN_NUMBER "2" at -297.643,22.386 h0.64 r180; ASSEMBLY_TOP "49.9K" at -297.053,22.64 h0.64 r180
R64: PIN_NUMBER "1" at -279.283,29.181 h0.64 r180; PIN_NUMBER "2" at -280.208,29.181 h0.64 r180; ASSEMBLY_TOP "2.2k" at -279.618,28.927 h0.64 r180
R65: PIN_NUMBER "1" at -279.284,28.216 h0.64 r180; PIN_NUMBER "2" at -280.209,28.216 h0.64 r180; ASSEMBLY_TOP "2.2k" at -279.619,27.962 h0.64 r180
R66: PIN_NUMBER "1" at -280.256,25.277 h0.64; PIN_NUMBER "2" at -279.331,25.277 h0.64; ASSEMBLY_TOP "33K" at -279.412,25.531 h0.64
R67: PIN_NUMBER "2" at -278.253,42.432 h0.64 r180; PIN_NUMBER "1" at -277.328,42.432 h0.64 r180; ASSEMBLY_TOP "1K" at -277.663,42.178 h0.64 r180
R68: PIN_NUMBER "1" at -276.135,35.215 h0.64 r90; PIN_NUMBER "2" at -276.135,36.14 h0.64 r90; ASSEMBLY_TOP "1K" at -276.135,35.805 h0.64 r90
R69: PIN_NUMBER "2" at -286.868,50.451 h0.64; PIN_NUMBER "1" at -287.426,50.451 h0.64; ASSEMBLY_TOP "33R" at -287.147,50.705 h0.64
R70: PIN_NUMBER "2" at -304.085,16.266 h0.64 r90; PIN_NUMBER "1" at -304.085,15.341 h0.64 r90; ASSEMBLY_TOP "10K" at -303.577,15.931 h0.64 r90
R71: PIN_NUMBER "2" at -283.424,53.035 h0.64 r270; PIN_NUMBER "1" at -283.424,53.594 h0.64 r270; ASSEMBLY_TOP "33R" at -282.916,53.569 h0.64 r270
R72: PIN_NUMBER "2" at -286.868,48.891 h0.64; PIN_NUMBER "1" at -287.426,48.891 h0.64; ASSEMBLY_TOP "33R" at -287.147,49.145 h0.64
R73: PIN_NUMBER "2" at -269.971,39.313 h0.64; PIN_NUMBER "1" at -270.896,39.313 h0.64; ASSEMBLY_TOP "10K" at -270.053,39.567 h0.64
R74: PIN_NUMBER "2" at -269.971,40.26 h0.64; PIN_NUMBER "1" at -270.896,40.26 h0.64; ASSEMBLY_TOP "10K" at -270.053,40.514 h0.64
R75: PIN_NUMBER "1" at -270.896,41.218 h0.64; PIN_NUMBER "2" at -269.971,41.218 h0.64; ASSEMBLY_TOP "10K" at -270.053,41.472 h0.64
R76: PIN_NUMBER "2" at -269.971,45.321 h0.64; PIN_NUMBER "1" at -270.896,45.321 h0.64; ASSEMBLY_TOP "10K" at -270.053,45.575 h0.64
R77: PIN_NUMBER "2" at -269.971,46.28 h0.64; PIN_NUMBER "1" at -270.896,46.28 h0.64; ASSEMBLY_TOP "10K" at -270.053,46.534 h0.64
R78: PIN_NUMBER "2" at -269.971,44.377 h0.64; PIN_NUMBER "1" at -270.896,44.377 h0.64; ASSEMBLY_TOP "10K" at -270.053,44.631 h0.64
R79: PIN_NUMBER "2" at -294.386,43.865 h0.64; PIN_NUMBER "1" at -294.945,43.865 h0.64; ASSEMBLY_TOP "33R" at -294.665,44.119 h0.64
R80: PIN_NUMBER "1" at -297.274,43.078 h0.64; PIN_NUMBER "2" at -296.715,43.078 h0.64; ASSEMBLY_TOP "33R" at -296.995,43.332 h0.64
R81: PIN_NUMBER "1" at -328.687,47.315 h0.64 r270; PIN_NUMBER "2" at -328.687,46.39 h0.64 r270; ASSEMBLY_TOP "1K" at -328.179,46.726 h0.64 r270
R82: PIN_NUMBER "1" at -316.666,47.534 h0.64 r270; PIN_NUMBER "2" at -316.666,46.609 h0.64 r270; ASSEMBLY_TOP "10K" at -316.158,46.944 h0.64 r270
R83: PIN_NUMBER "1" at -328.687,45.486 h0.64 r270; PIN_NUMBER "2" at -328.687,44.56 h0.64 r270; ASSEMBLY_TOP "1K" at -328.179,44.896 h0.64 r270
R84: PIN_NUMBER "1" at -316.666,49.376 h0.64 r270; PIN_NUMBER "2" at -316.666,48.451 h0.64 r270; ASSEMBLY_TOP "2.2k" at -316.158,48.786 h0.64 r270
R85: PIN_NUMBER "2" at -315.136,49.468 h0.64 r180; PIN_NUMBER "1" at -314.211,49.468 h0.64 r180; ASSEMBLY_TOP "2.2k" at -314.546,49.214 h0.64 r180
R86: PIN_NUMBER "1" at -315.78,39.867 h0.64 r180; PIN_NUMBER "2" at -316.705,39.867 h0.64 r180; ASSEMBLY_TOP "1K" at -316.115,39.613 h0.64 r180
R87: PIN_NUMBER "1" at -316.705,40.814 h0.64; PIN_NUMBER "2" at -315.78,40.814 h0.64; ASSEMBLY_TOP "1K" at -315.861,41.068 h0.64
R88: PIN_NUMBER "2" at -313.867,52.269 h0.64; PIN_NUMBER "1" at -314.792,52.269 h0.64; ASSEMBLY_TOP "240R" at -313.948,52.523 h0.64
R89: PIN_NUMBER "1" at -285.135,24.054 h0.64 r180; PIN_NUMBER "2" at -286.06,24.054 h0.64 r180; ASSEMBLY_TOP "5.6K" at -285.471,24.308 h0.64 r180
R90: PIN_NUMBER "1" at -293.19,53.754 h0.64; PIN_NUMBER "2" at -292.631,53.754 h0.64; ASSEMBLY_TOP "10K" at -292.91,53.5 h0.64
R91: PIN_NUMBER "2" at -291.424,53.754 h0.64; PIN_NUMBER "1" at -291.983,53.754 h0.64; ASSEMBLY_TOP "10K" at -291.704,53.5 h0.64
R92: PIN_NUMBER "1" at -290.499,53.749 h0.64; PIN_NUMBER "2" at -289.94,53.749 h0.64; ASSEMBLY_TOP "10K" at -290.219,53.495 h0.64
R93: PIN_NUMBER "2" at -288.714,53.749 h0.64; PIN_NUMBER "1" at -289.273,53.749 h0.64; ASSEMBLY_TOP "10K" at -288.994,53.495 h0.64
R94: PIN_NUMBER "2" at -307.309,68.097 h0.64; PIN_NUMBER "1" at -308.234,68.097 h0.64; ASSEMBLY_TOP "10K" at -307.391,68.351 h0.64
R95: PIN_NUMBER "1" at -295.248,57.799 h0.64 r180; PIN_NUMBER "2" at -295.806,57.799 h0.64 r180; ASSEMBLY_TOP "33R" at -295.019,57.545 h0.64 r180
R96: PIN_NUMBER "1" at -287.528,58.79 h0.64 r180; PIN_NUMBER "2" at -288.087,58.79 h0.64 r180; ASSEMBLY_TOP "33R" at -287.299,58.536 h0.64 r180
R97: PIN_NUMBER "1" at -287.528,58.155 h0.64 r180; PIN_NUMBER "2" at -288.087,58.155 h0.64 r180; ASSEMBLY_TOP "33R" at -287.299,57.901 h0.64 r180
R98: PIN_NUMBER "1" at -276.051,58.192 h0.64 r90; PIN_NUMBER "2" at -276.051,58.751 h0.64 r90; ASSEMBLY_TOP "33R" at -276.051,58.218 h0.64 r90
R99: PIN_NUMBER "1" at -274.469,51.171 h0.64 r270; PIN_NUMBER "2" at -274.469,50.246 h0.64 r270; ASSEMBLY_TOP "0R" at -273.961,50.582 h0.64 r270
R100: PIN_NUMBER "2" at -273.435,32.543 h0.64 r270; PIN_NUMBER "1" at -273.435,33.468 h0.64 r270; ASSEMBLY_TOP "49.9R" at -273.435,32.879 h0.64 r270
R101: PIN_NUMBER "2" at -274.374,32.54 h0.64 r270; PIN_NUMBER "1" at -274.374,33.465 h0.64 r270; ASSEMBLY_TOP "49.9R" at -274.374,32.876 h0.64 r270
R102: PIN_NUMBER "2" at -269.675,32.543 h0.64 r270; PIN_NUMBER "1" at -269.675,33.468 h0.64 r270; ASSEMBLY_TOP "2K" at -269.675,32.879 h0.64 r270
R103: PIN_NUMBER "2" at -270.615,32.543 h0.64 r270; PIN_NUMBER "1" at -270.615,33.468 h0.64 r270; ASSEMBLY_TOP "2K" at -270.615,32.879 h0.64 r270
R104: PIN_NUMBER "1" at -272.488,32.543 h0.64 r90; PIN_NUMBER "2" at -272.488,33.468 h0.64 r90; ASSEMBLY_TOP "0R" at -271.98,33.133 h0.64 r90
R105: PIN_NUMBER "1" at -271.555,33.468 h0.64 r270; PIN_NUMBER "2" at -271.555,32.543 h0.64 r270; ASSEMBLY_TOP "0R" at -271.555,32.879 h0.64 r270
R106: PIN_NUMBER "1" at -273.435,29.828 h0.64 r270; PIN_NUMBER "2" at -273.435,28.903 h0.64 r270; ASSEMBLY_TOP "0R" at -273.435,29.238 h0.64 r270
R107: PIN_NUMBER "1" at -274.374,29.828 h0.64 r270; PIN_NUMBER "2" at -274.374,28.903 h0.64 r270; ASSEMBLY_TOP "0R" at -274.374,29.238 h0.64 r270
R108: PIN_NUMBER "1" at -270.615,29.828 h0.64 r270; PIN_NUMBER "2" at -270.615,28.903 h0.64 r270; ASSEMBLY_TOP "0R" at -270.615,29.238 h0.64 r270
R109: PIN_NUMBER "1" at -269.675,29.828 h0.64 r270; PIN_NUMBER "2" at -269.675,28.903 h0.64 r270; ASSEMBLY_TOP "0R" at -269.675,29.238 h0.64 r270
R110: PIN_NUMBER "1" at -280.394,53.961 h0.64 r90; PIN_NUMBER "2" at -280.394,54.886 h0.64 r90; ASSEMBLY_TOP "2.2k" at -280.394,54.55 h0.64 r90
R111: PIN_NUMBER "1" at -274.053,59.255 h0.64 r180; PIN_NUMBER "2" at -274.978,59.255 h0.64 r180; ASSEMBLY_TOP "2.2k" at -274.388,59.001 h0.64 r180
R112: PIN_NUMBER "2" at -272.239,52.556 h0.64; PIN_NUMBER "1" at -273.164,52.556 h0.64; ASSEMBLY_TOP "2.2k" at -272.321,52.81 h0.64
R113: PIN_NUMBER "1" at -277.063,58.344 h0.64 r90; PIN_NUMBER "2" at -277.063,59.269 h0.64 r90; ASSEMBLY_TOP "2.2k" at -277.063,58.933 h0.64 r90
R114: PIN_NUMBER "2" at -279.988,49.581 h0.64 r270; PIN_NUMBER "1" at -279.988,50.506 h0.64 r270; ASSEMBLY_TOP "2.2k" at -279.48,49.916 h0.64 r270
R115: PIN_NUMBER "1" at -279.048,50.505 h0.64 r270; PIN_NUMBER "2" at -279.048,49.58 h0.64 r270; ASSEMBLY_TOP "2.2k" at -278.54,49.915 h0.64 r270
R116: PIN_NUMBER "1" at -274.986,58.293 h0.64; PIN_NUMBER "2" at -274.061,58.293 h0.64; ASSEMBLY_TOP "2.2k" at -274.142,58.547 h0.64
R117: PIN_NUMBER "2" at -255.368,59.001 h0.64 r90; PIN_NUMBER "1" at -255.368,58.076 h0.64 r90; ASSEMBLY_TOP "100K" at -255.368,58.666 h0.64 r90
R118: PIN_NUMBER "2" at -255.103,52.775 h0.64 r90; PIN_NUMBER "1" at -255.103,51.85 h0.64 r90; ASSEMBLY_TOP "1M" at -255.103,52.439 h0.64 r90
R119: PIN_NUMBER "2" at -255.103,50.002 h0.64 r270; PIN_NUMBER "1" at -255.103,50.927 h0.64 r270; ASSEMBLY_TOP "0R" at -254.595,50.337 h0.64 r270
R120: PIN_NUMBER "1" at -266.254,53.271 h0.64; PIN_NUMBER "2" at -265.329,53.271 h0.64; ASSEMBLY_TOP "0R" at -265.41,53.525 h0.64
R121: PIN_NUMBER "1" at -266.255,54.53 h0.64; PIN_NUMBER "2" at -265.33,54.53 h0.64; ASSEMBLY_TOP "0R" at -265.411,54.784 h0.64
R122: PIN_NUMBER "1" at -294.838,43.947 h0.64 r180; PIN_NUMBER "2" at -295.763,43.947 h0.64 r180; ASSEMBLY_TOP "10K" at -295.173,44.201 h0.64 r180
R123: PIN_NUMBER "2" at -312.674,15.372 h0.64 r90; PIN_NUMBER "1" at -312.674,14.447 h0.64 r90; ASSEMBLY_TOP "0R" at -312.166,15.037 h0.64 r90
R124: PIN_NUMBER "2" at -313.665,14.447 h0.64 r270; PIN_NUMBER "1" at -313.665,15.372 h0.64 r270; ASSEMBLY_TOP "15K" at -313.665,14.783 h0.64 r270
R125: PIN_NUMBER "1" at -281.036,67.259 h0.64; PIN_NUMBER "2" at -280.111,67.259 h0.64; ASSEMBLY_TOP "10K" at -280.193,67.513 h0.64
R126: PIN_NUMBER "2" at -305.54,42.717 h0.64 r90; PIN_NUMBER "1" at -305.54,41.792 h0.64 r90; ASSEMBLY_TOP "10K" at -305.54,42.382 h0.64 r90
R127: PIN_NUMBER "1" at -307.775,40.534 h0.64; PIN_NUMBER "2" at -306.85,40.534 h0.64; ASSEMBLY_TOP "0R" at -306.932,40.788 h0.64
R128: PIN_NUMBER "1" at -321.916,8.603 h0.64 r90; PIN_NUMBER "2" at -321.916,9.528 h0.64 r90; ASSEMBLY_TOP "5.1K" at -321.408,9.193 h0.64 r90
R129: PIN_NUMBER "1" at -324.964,8.593 h0.64 r90; PIN_NUMBER "2" at -324.964,9.518 h0.64 r90; ASSEMBLY_TOP "5.1K" at -324.456,9.183 h0.64 r90
R130: PIN_NUMBER "1" at -307.746,57.315 h0.64 r90; PIN_NUMBER "2" at -307.746,58.24 h0.64 r90; ASSEMBLY_TOP "499R" at -307.238,57.904 h0.64 r90
R131: PIN_NUMBER "1" at -308.207,66.203 h0.64 r90; PIN_NUMBER "2" at -308.207,67.128 h0.64 r90; ASSEMBLY_TOP "499R" at -308.207,66.792 h0.64 r90
R132: PIN_NUMBER "2" at -306.302,67.128 h0.64 r90; PIN_NUMBER "1" at -306.302,66.203 h0.64 r90; ASSEMBLY_TOP "20K" at -306.302,66.792 h0.64 r90
R133: PIN_NUMBER "1" at -307.507,19.758 h0.64 r180; PIN_NUMBER "2" at -308.432,19.758 h0.64 r180; ASSEMBLY_TOP "1K" at -307.843,19.504 h0.64 r180
R134: PIN_NUMBER "1" at -296.084,35.67 h0.64 r90; PIN_NUMBER "2" at -296.084,36.595 h0.64 r90; ASSEMBLY_TOP "10K" at -296.084,36.26 h0.64 r90
R135: PIN_NUMBER "1" at -283.232,45.416 h0.64; PIN_NUMBER "2" at -282.307,45.416 h0.64; ASSEMBLY_TOP "0R" at -282.388,45.67 h0.64
R136: PIN_NUMBER "1" at -305.511,15.169 h0.64 r270; PIN_NUMBER "2" at -305.511,14.244 h0.64 r270; ASSEMBLY_TOP "20K" at -305.003,14.58 h0.64 r270
R137: PIN_NUMBER "1" at -310.765,31.665 h0.64 r270; PIN_NUMBER "2" at -310.765,30.74 h0.64 r270; ASSEMBLY_TOP "10K" at -310.257,31.075 h0.64 r270
R138: PIN_NUMBER "1" at -309.8,31.664 h0.64 r270; PIN_NUMBER "2" at -309.8,30.739 h0.64 r270; ASSEMBLY_TOP "10K" at -309.292,31.074 h0.64 r270
R139: PIN_NUMBER "2" at -309.807,34.074 h0.64 r90; PIN_NUMBER "1" at -309.807,33.149 h0.64 r90; ASSEMBLY_TOP "100K" at -309.807,33.739 h0.64 r90
R140: PIN_NUMBER "1" at -276.941,67.601 h0.64 r180; PIN_NUMBER "2" at -277.866,67.601 h0.64 r180; ASSEMBLY_TOP "10K" at -277.276,67.855 h0.64 r180
R141: PIN_NUMBER "1" at -310.765,34.067 h0.64 r270; PIN_NUMBER "2" at -310.765,33.142 h0.64 r270; ASSEMBLY_TOP "11K" at -310.257,33.478 h0.64 r270
R142: PIN_NUMBER "1" at -283.367,67.619 h0.64; PIN_NUMBER "2" at -282.442,67.619 h0.64; ASSEMBLY_TOP "10K" at -282.524,67.365 h0.64
R143: PIN_NUMBER "1" at -304.634,33.862 h0.64; PIN_NUMBER "2" at -303.709,33.862 h0.64; ASSEMBLY_TOP "10K" at -303.79,34.116 h0.64
R144: PIN_NUMBER "1" at -304.633,34.827 h0.64; PIN_NUMBER "2" at -303.708,34.827 h0.64; ASSEMBLY_TOP "10K" at -303.789,35.081 h0.64
R145: PIN_NUMBER "1" at -295.269,57.113 h0.64 r180; PIN_NUMBER "2" at -295.828,57.113 h0.64 r180; ASSEMBLY_TOP "33R" at -295.04,56.859 h0.64 r180
R146: PIN_NUMBER "1" at -296.044,25.353 h0.64; PIN_NUMBER "2" at -295.119,25.353 h0.64; ASSEMBLY_TOP "10K" at -295.201,25.607 h0.64
R147: PIN_NUMBER "2" at -296.041,24.431 h0.64 r180; PIN_NUMBER "1" at -295.116,24.431 h0.64 r180; ASSEMBLY_TOP "10K" at -295.452,24.177 h0.64 r180
R148: PIN_NUMBER "1" at -297.024,35.662 h0.64 r90; PIN_NUMBER "2" at -297.024,36.587 h0.64 r90; ASSEMBLY_TOP "10K" at -297.024,36.251 h0.64 r90